# Altium PCB board_ordered.PcbDoc (part 1 of 2)
Units mm, origin at the board's own origin, x right, y up, seen from the top; angles counter-clockwise.
Board outline 122.6 x 89.6 mm, 4 copper layers (Top Layer, Mid Layer 1, Mid Layer 2, Bottom Layer), stack 1.57 mm thick; 184 components, 111 nets, 541 pads, 470 vias.
Unrouted connection lines stored in the file: 2.
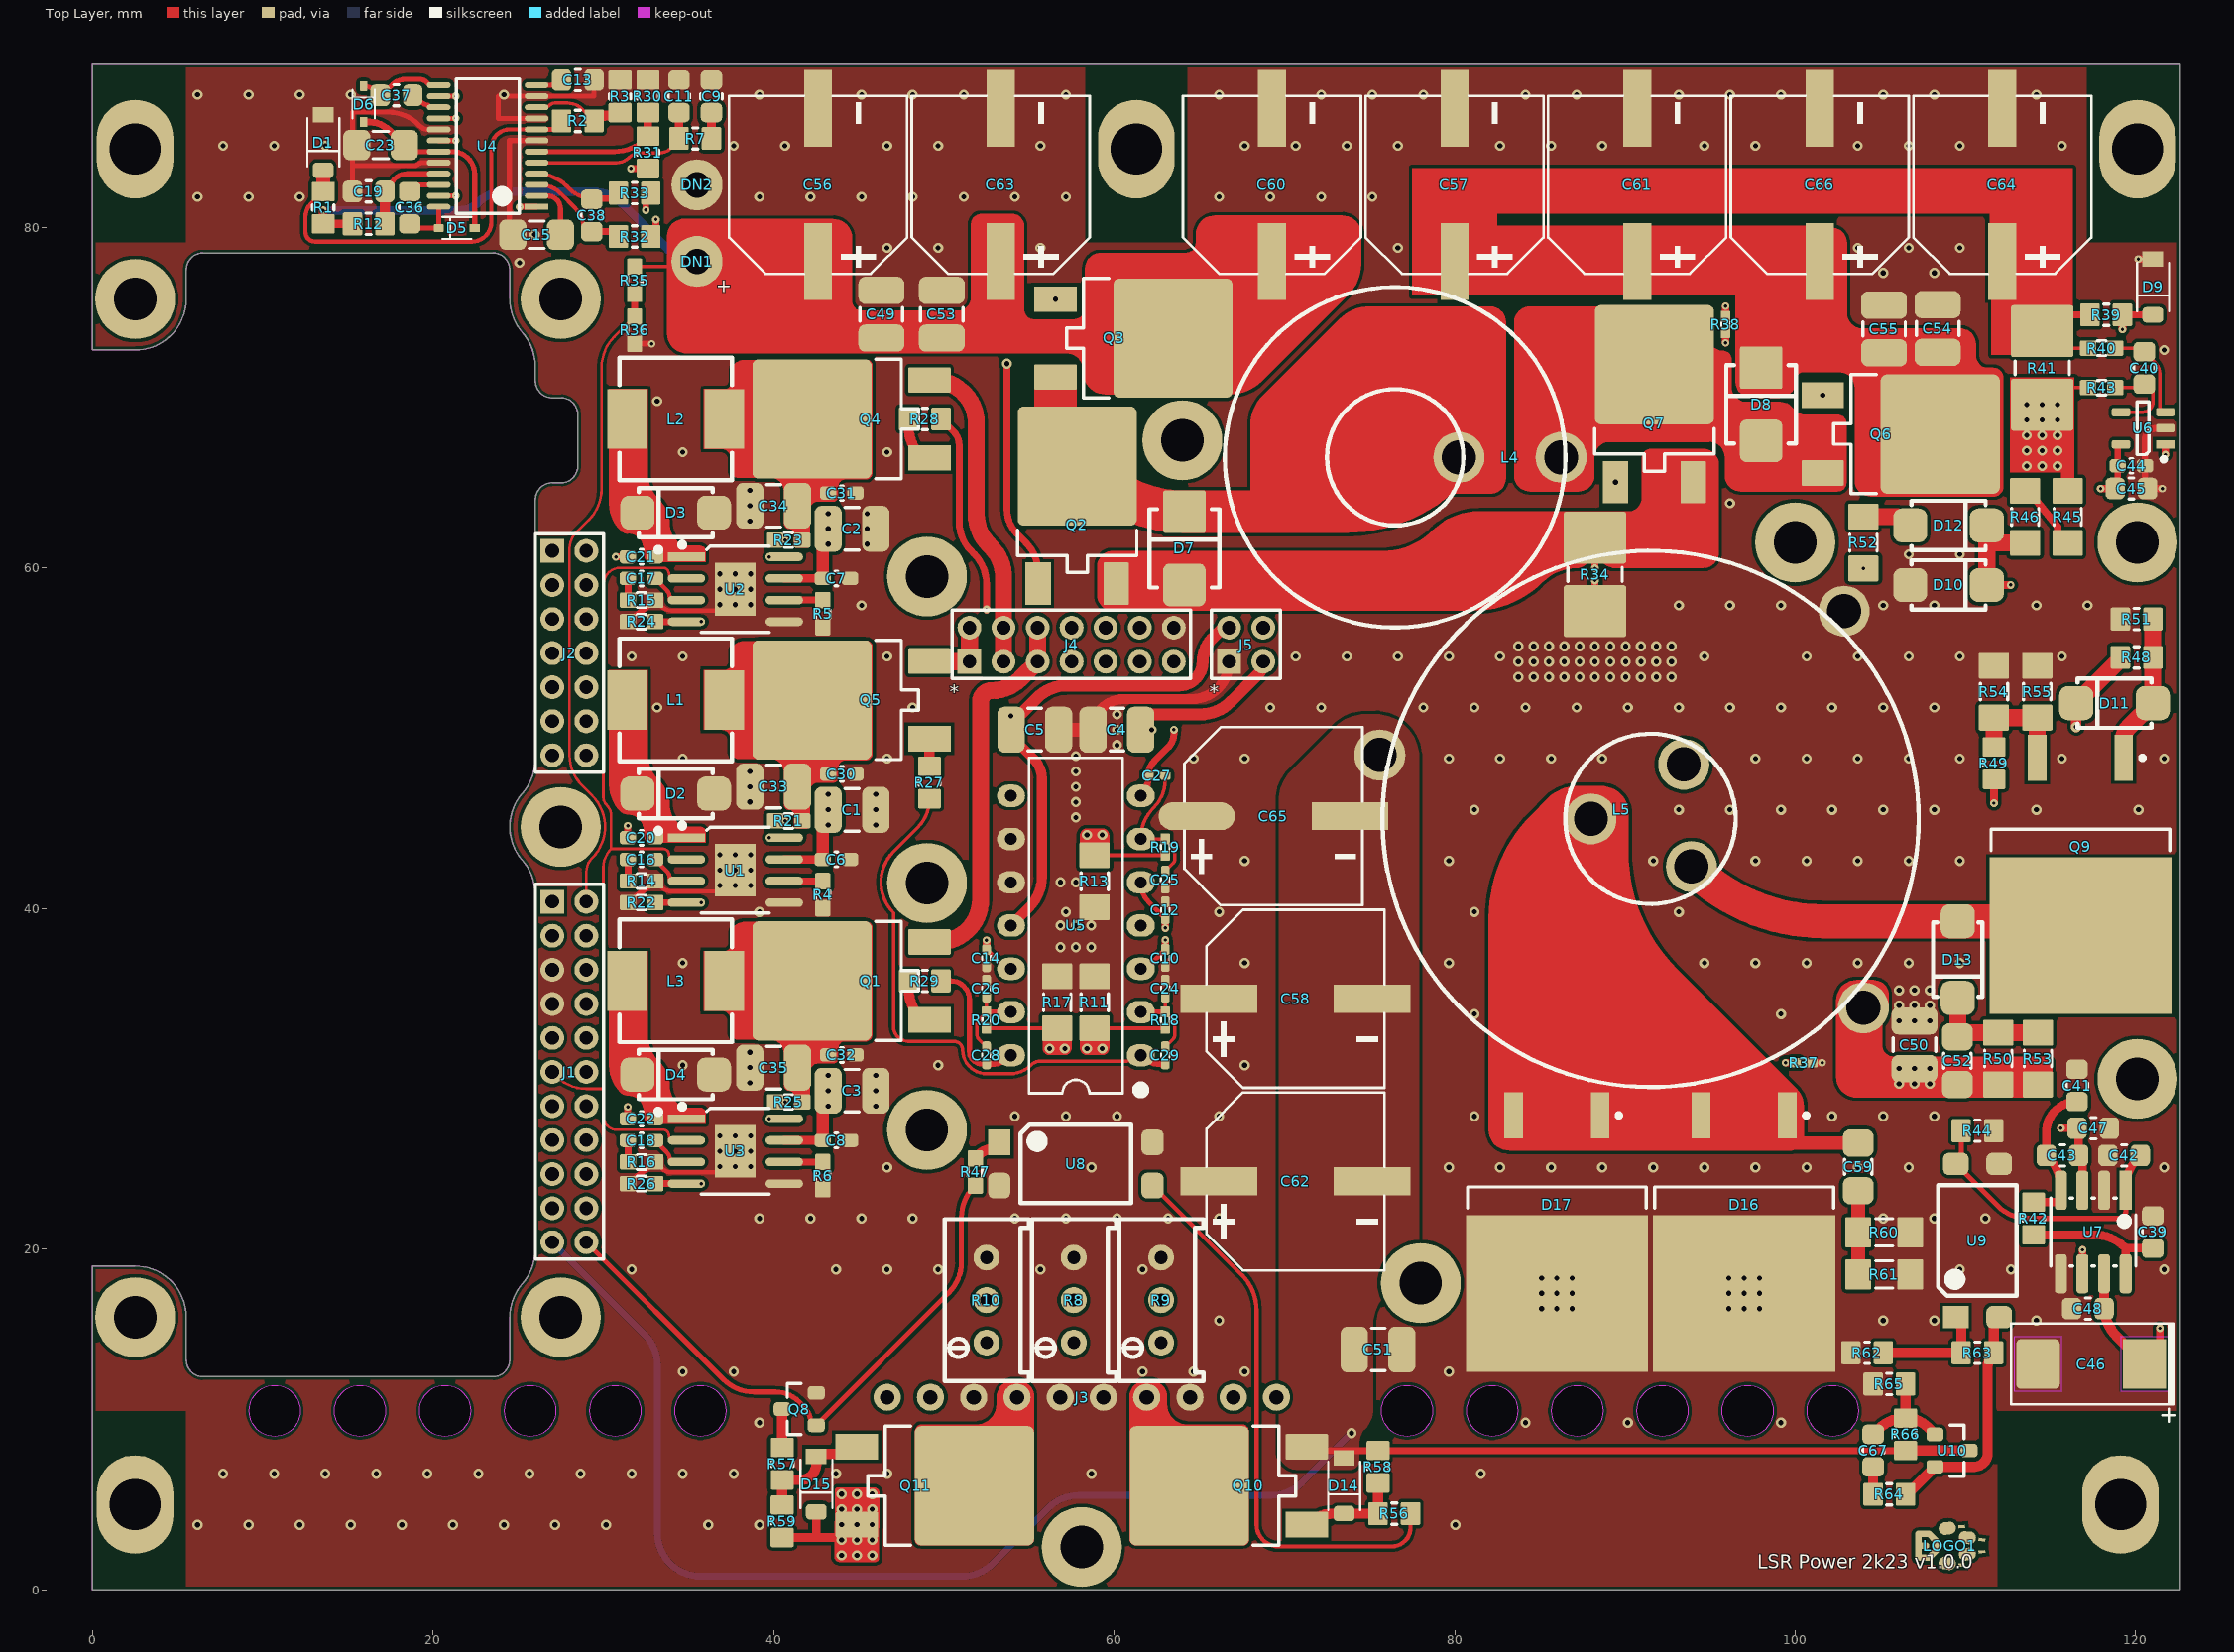
[diagram p0: Top Layer view]
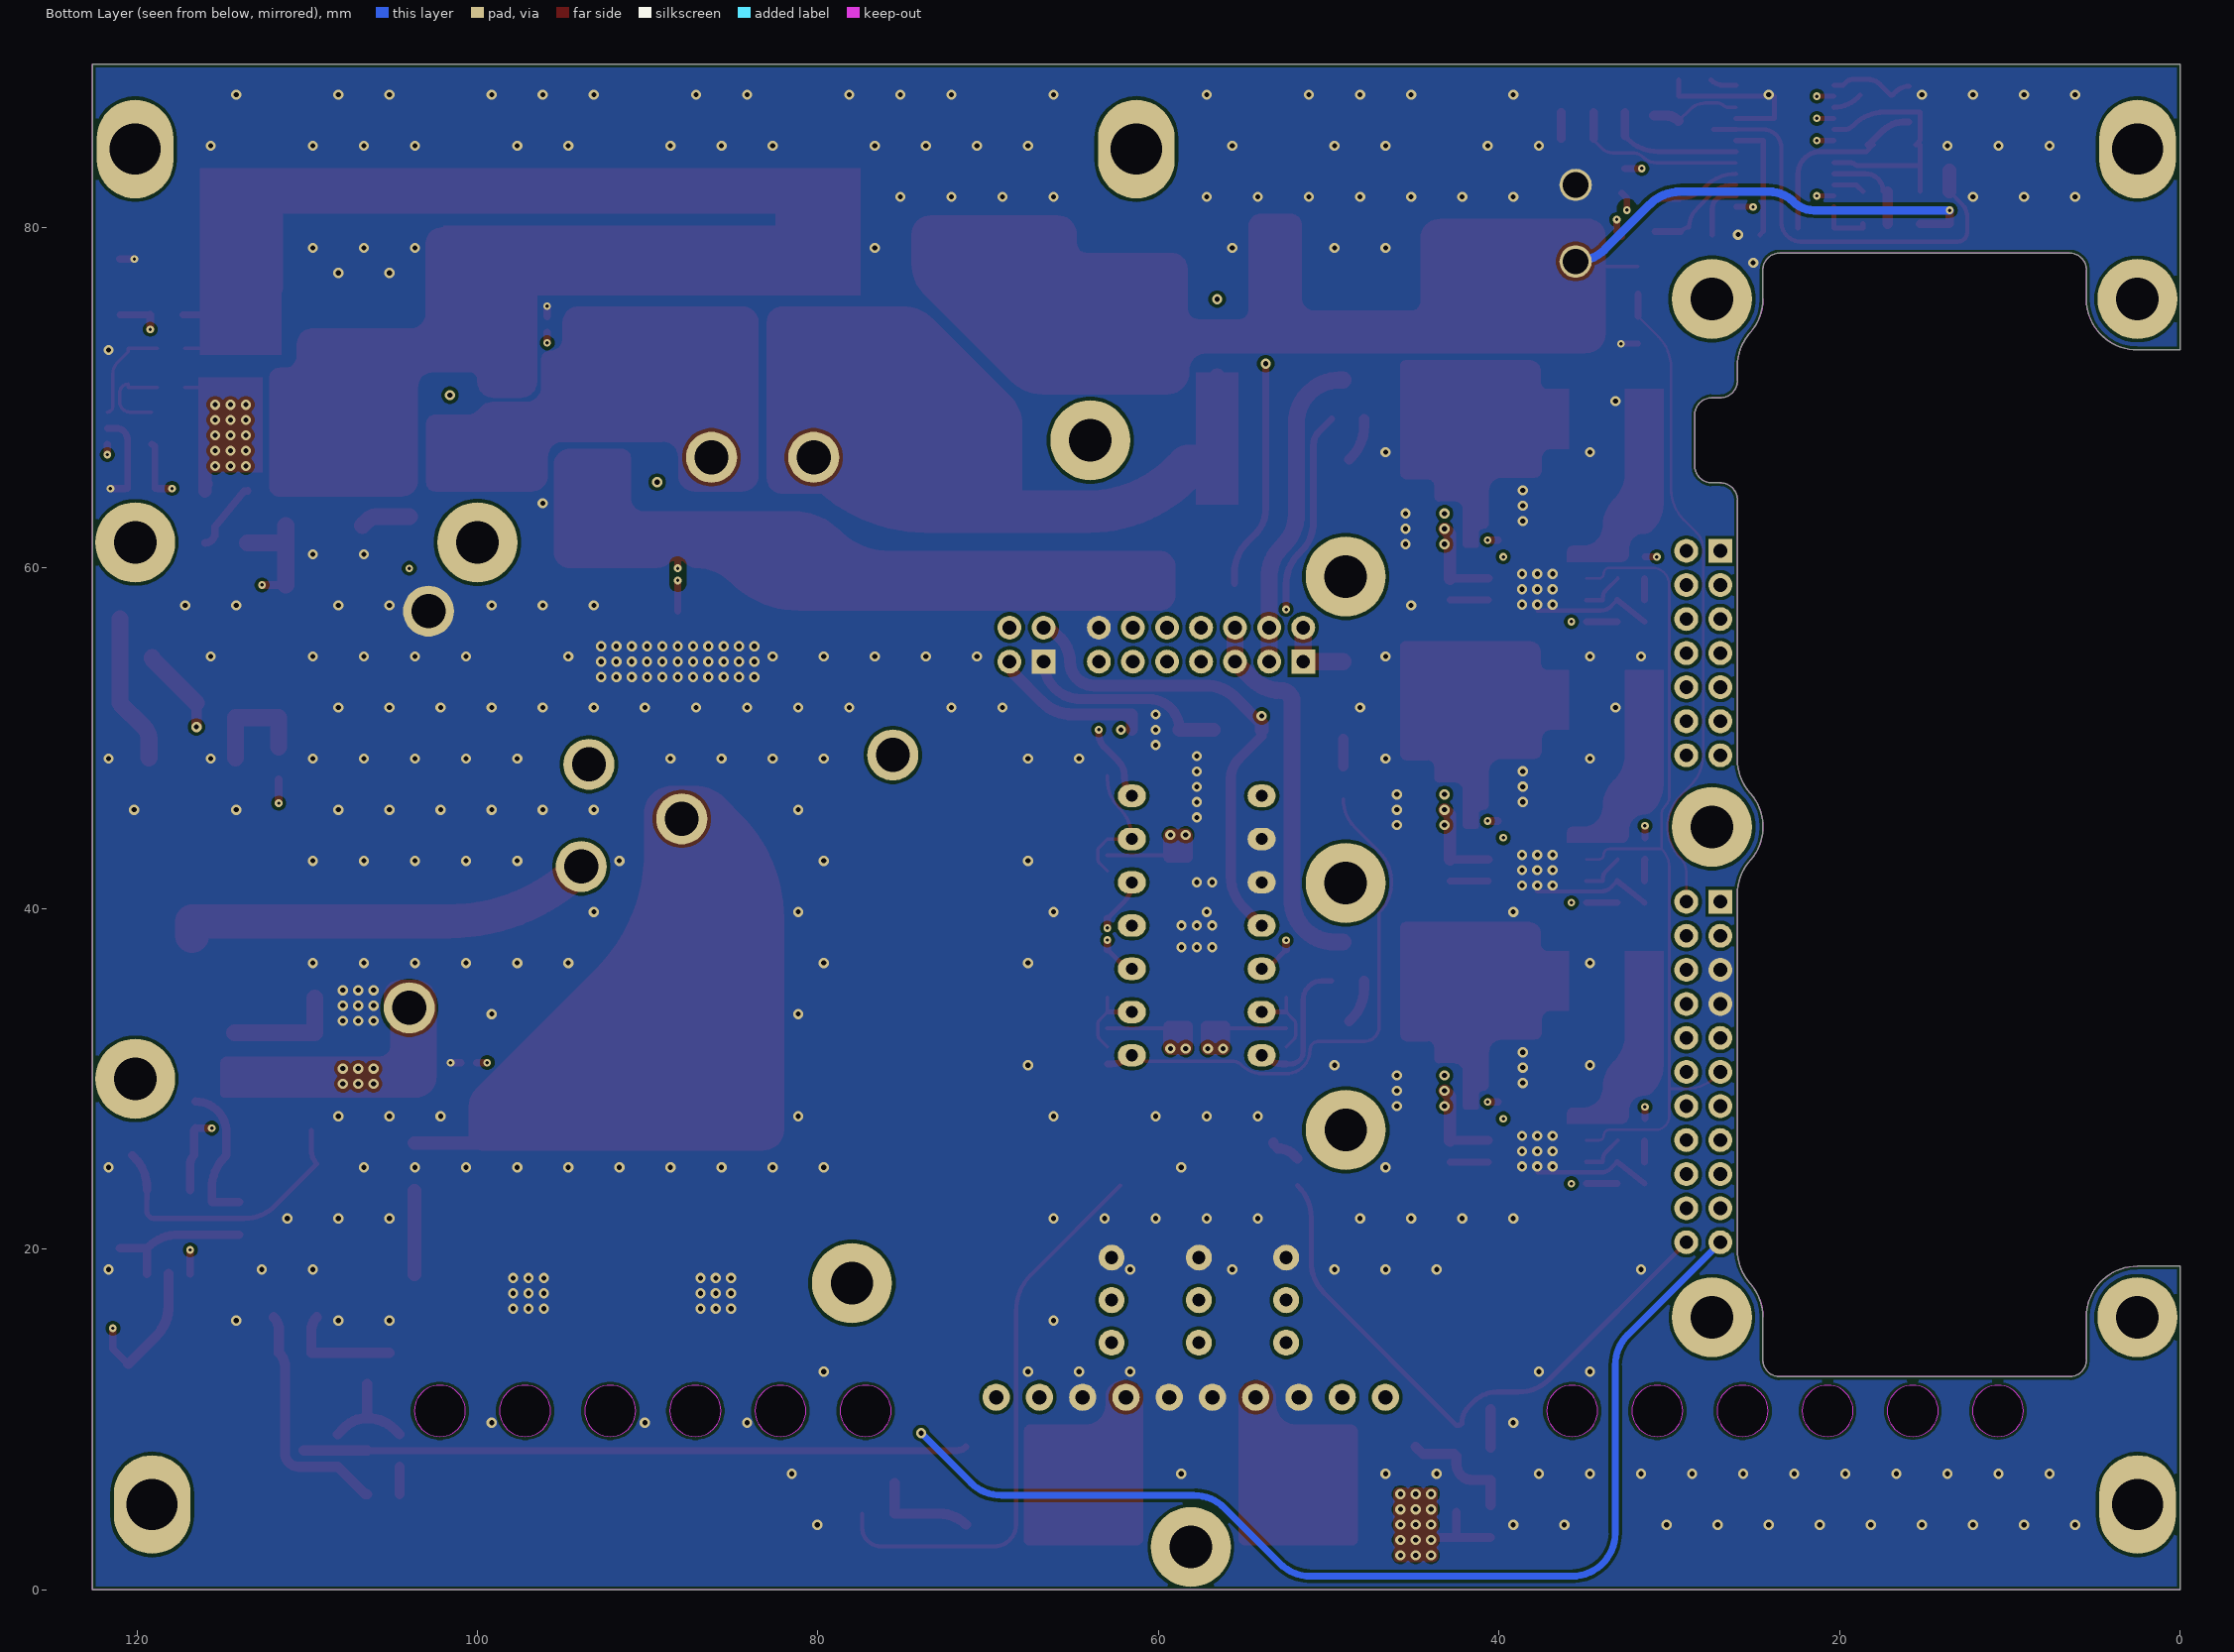
[diagram p1: Bottom Layer view, seen from below]
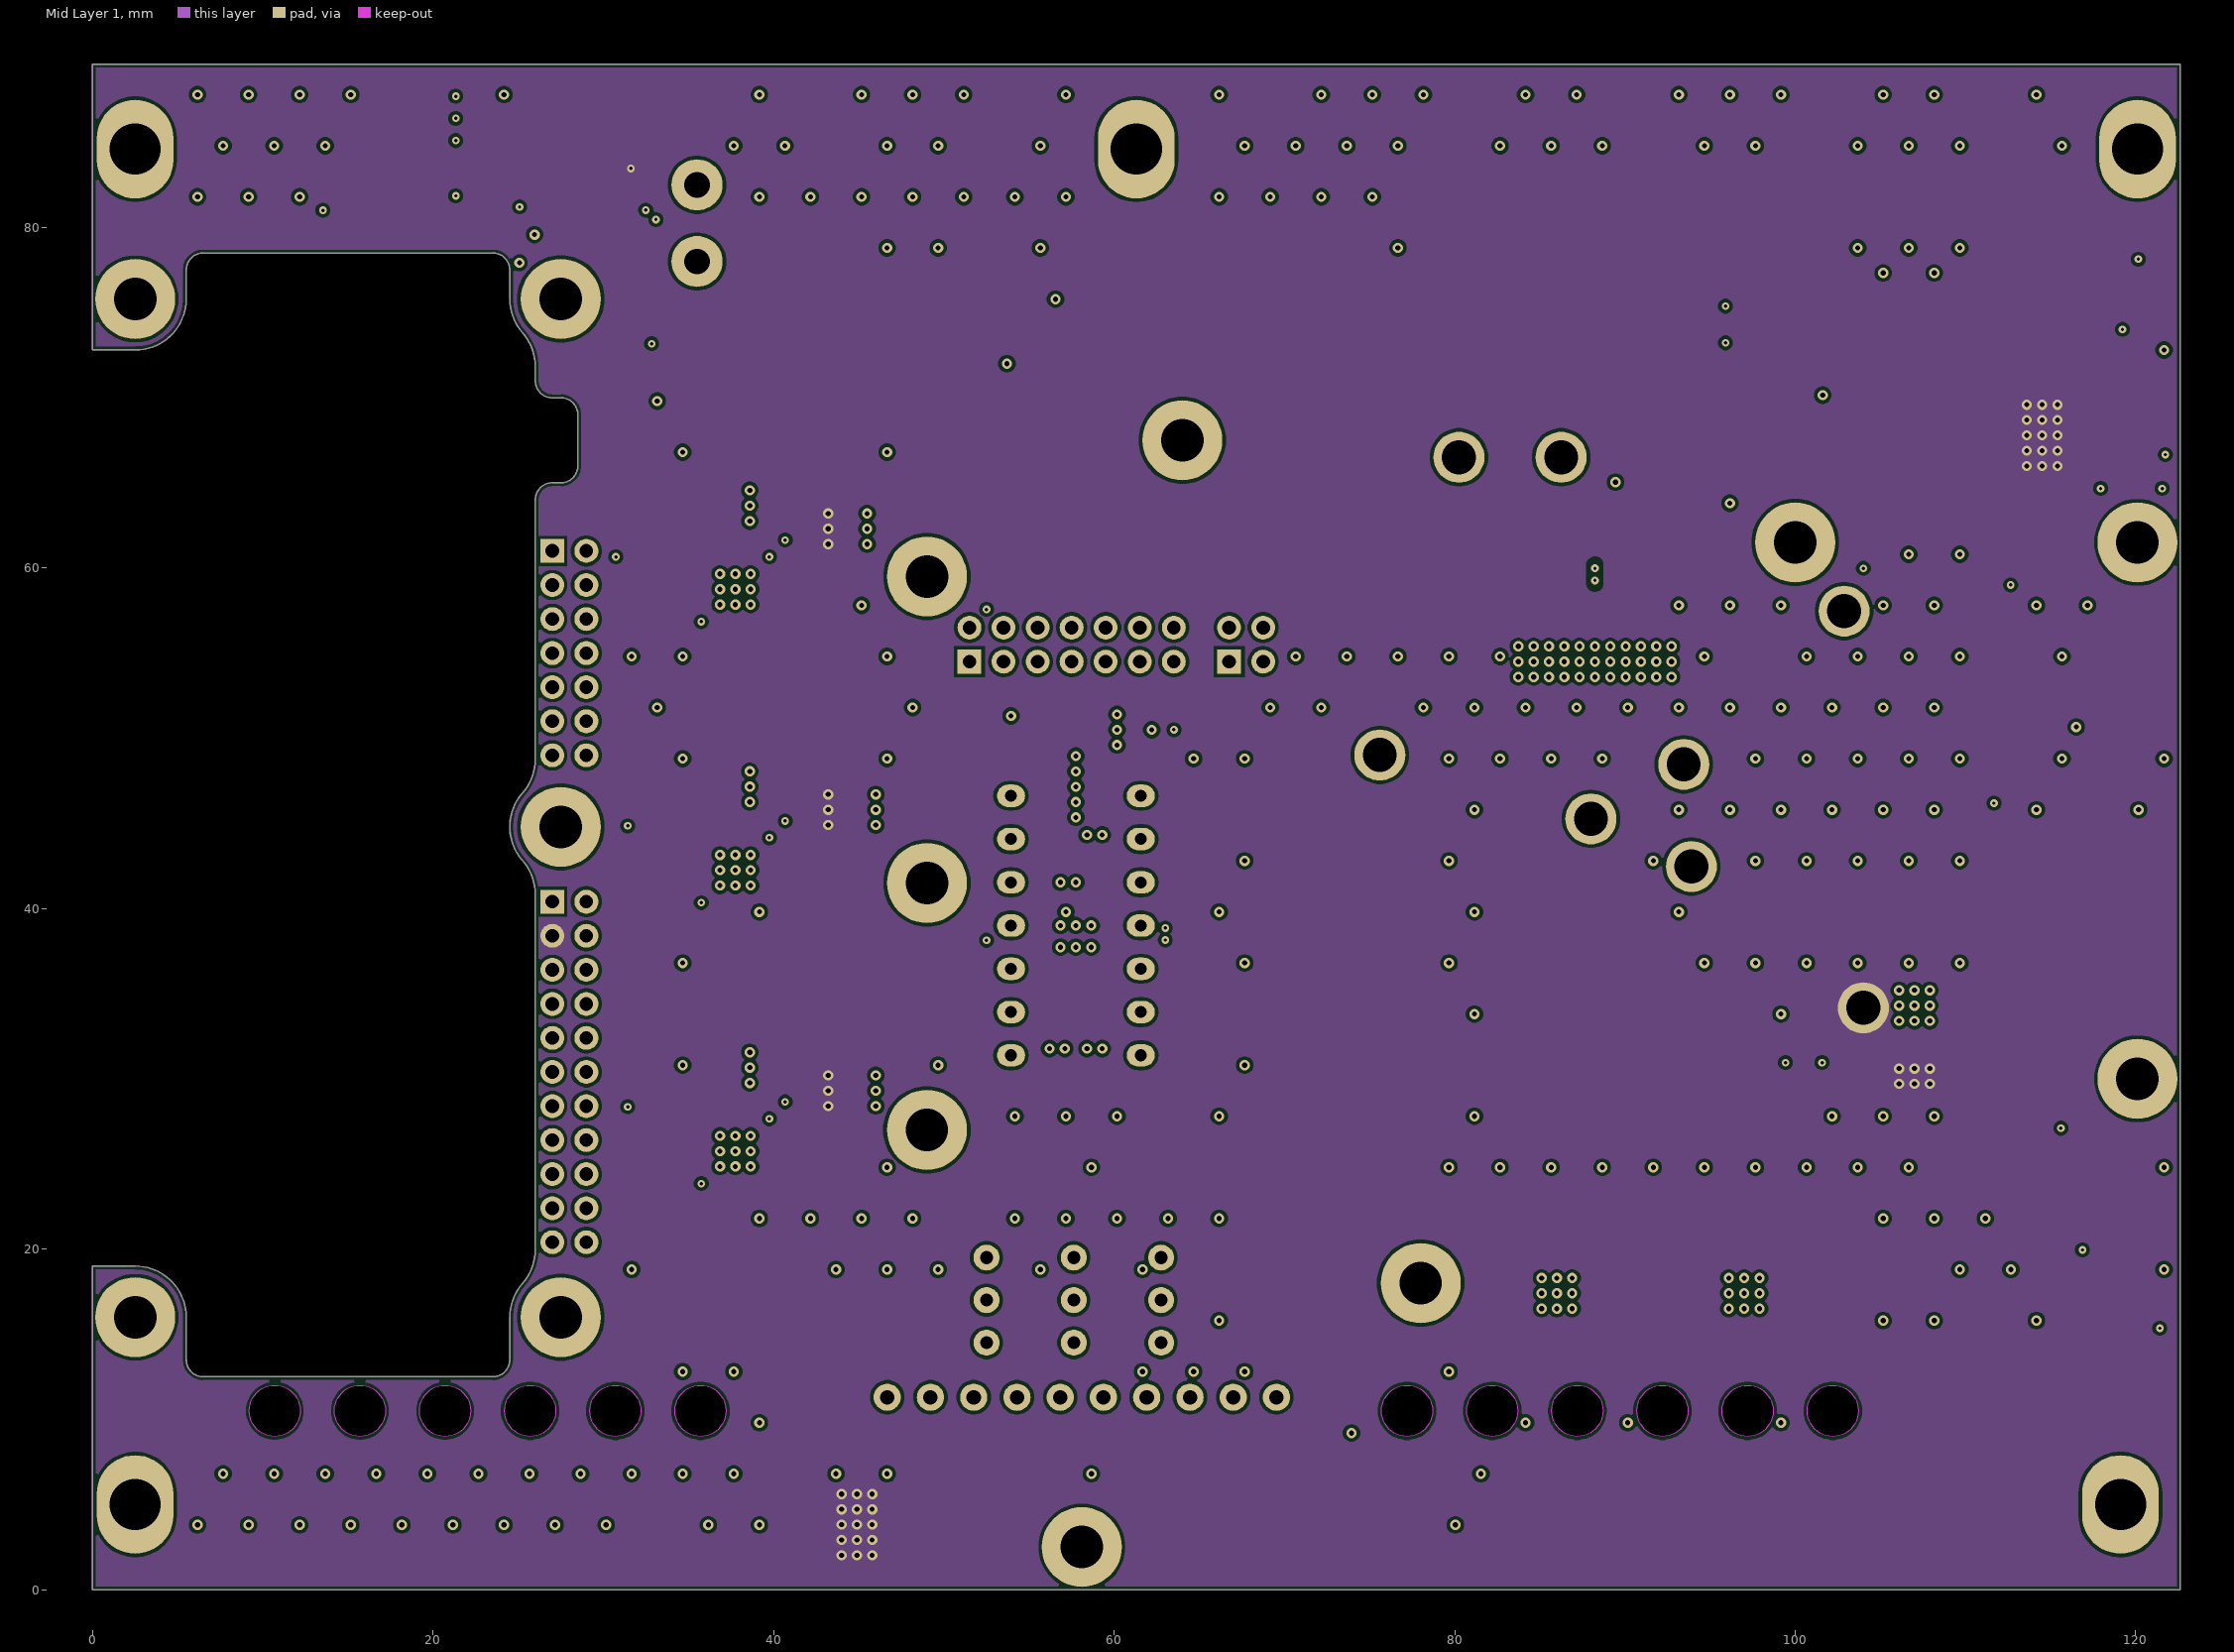
[diagram p2: Mid Layer 1]
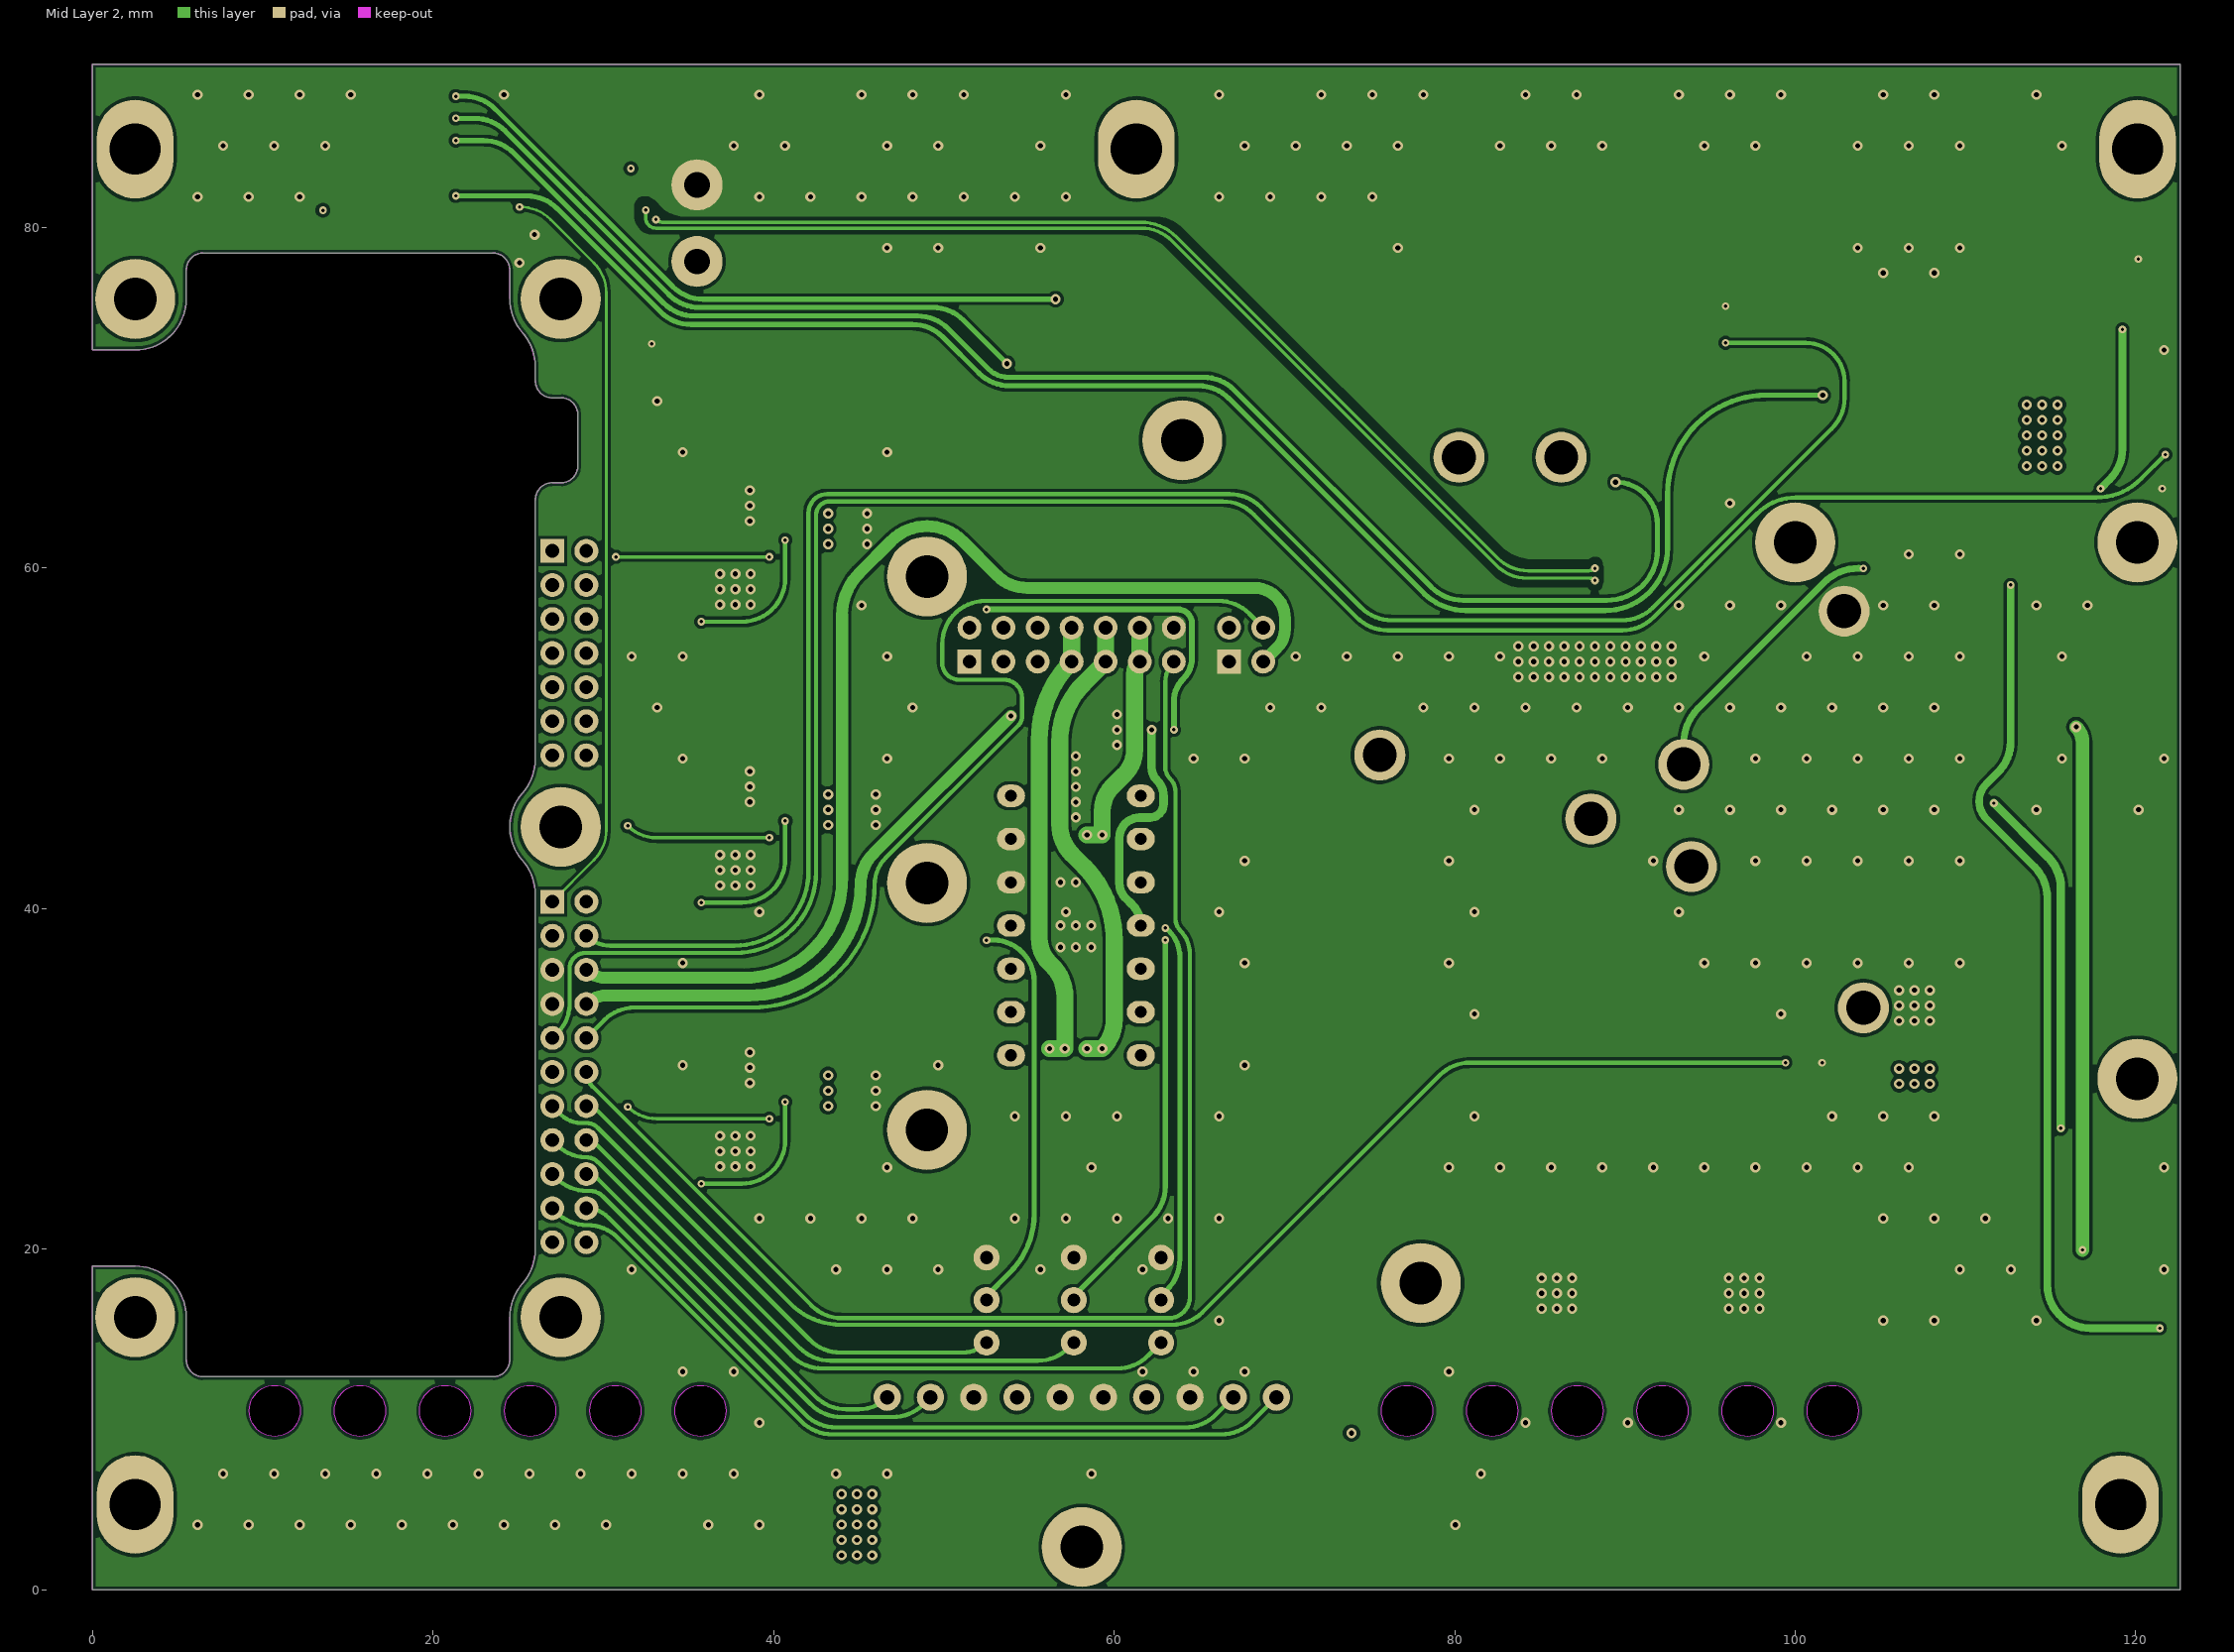
[diagram p3: Mid Layer 2]
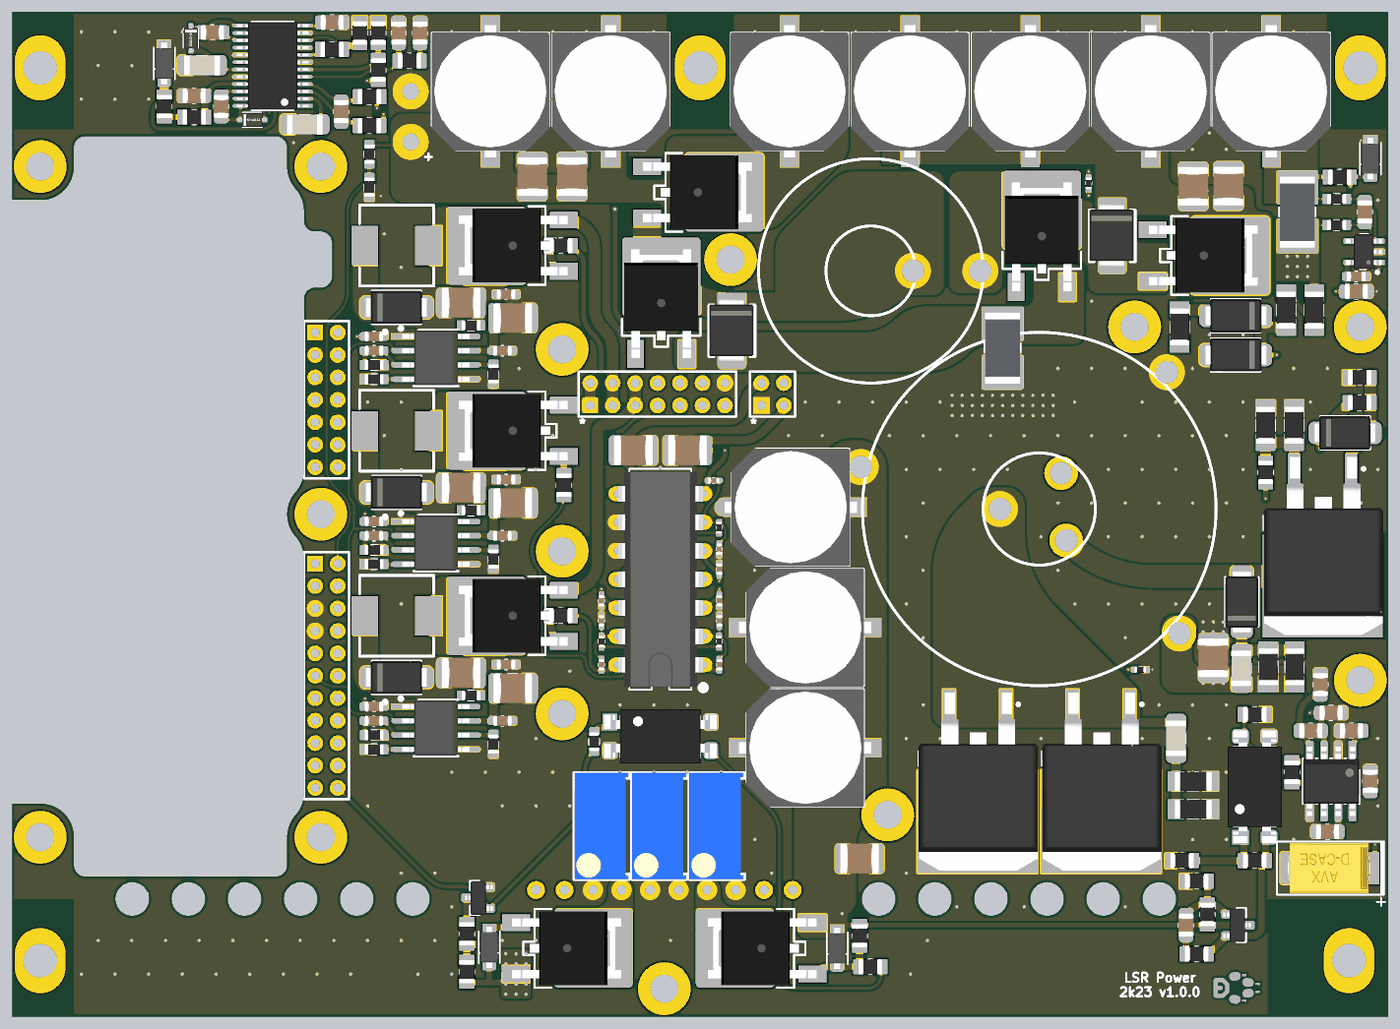
[diagram p5: 3D render of the assembled board from above, using the file's embedded part models]

## Layer stack, top to bottom
Top Solder: solder mask 0.0127, Solder Resist, Dk 3.8
Top Layer: signal copper 0.035
Dielectric 1: prepreg 0.1, 2313, Dk 4.05
Mid Layer 1: signal copper 0.0175
Core: core 1.265, FR-4, Dk 4.5
Mid Layer 2: signal copper 0.0175
Dielectric 2: prepreg 0.1, 2313, Dk 4.05
Bottom Layer: signal copper 0.035
Bottom Solder: solder mask 0.0127, Solder Resist, Dk 3.8

## Board outline
0,0 0,19 2.5,19 cw(c2.5,16) 5.5,16 5.5,13.5 ccw(c6.5,13.5) 6.5,12.5 23.5,12.5 ccw(c23.5,13.5) 24.5,13.5 24.5,16 cw(c27.5,16) 25.226,17.957 ccw(c23,19.968) 26,19.968 26,40.832 ccw(c23,40.832) 25.226,42.843 cw(c27.5,44.8) 25.226,46.757 ccw(c23,48.768) 26,48.768 26,64 cw(c27,64) 27,65 27.5,65 ccw(c27.5,66) 28.5,66 28.5,69 ccw(c27.5,69) 27.5,70 27,70 cw(c27,71) 26,71 26,71.832 ccw(c23,71.832) 25.226,73.843 cw(c27.5,75.8) 24.5,75.8 24.5,77.5 ccw(c23.5,77.5) 23.5,78.5 6.5,78.5 ccw(c6.5,77.5) 5.5,77.5 5.5,76.3 5.5,75.8 cw(c2.5,75.8) 2.5,72.8 0,72.8 0,89.6 122.6,89.6 122.6,0
cut-out: 77.2,12 cw(c77.2,10.5) 78.7,10.5 cw(c77.2,10.5) 77.2,9 cw(c77.2,10.5) 75.7,10.5 cw(c77.2,10.5)
cut-out: 82.2,12 cw(c82.2,10.5) 83.7,10.5 cw(c82.2,10.5) 82.2,9 cw(c82.2,10.5) 80.7,10.5 cw(c82.2,10.5)
cut-out: 102.2,12 cw(c102.2,10.5) 103.7,10.5 cw(c102.2,10.5) 102.2,9 cw(c102.2,10.5) 100.7,10.5 cw(c102.2,10.5)
cut-out: 97.2,12 cw(c97.2,10.5) 98.7,10.5 cw(c97.2,10.5) 97.2,9 cw(c97.2,10.5) 95.7,10.5 cw(c97.2,10.5)
cut-out: 92.2,12 cw(c92.2,10.5) 93.7,10.5 cw(c92.2,10.5) 92.2,9 cw(c92.2,10.5) 90.7,10.5 cw(c92.2,10.5)
cut-out: 87.2,12 cw(c87.2,10.5) 88.7,10.5 cw(c87.2,10.5) 87.2,9 cw(c87.2,10.5) 85.7,10.5 cw(c87.2,10.5)
cut-out: 35.7,12 cw(c35.7,10.5) 37.2,10.5 cw(c35.7,10.5) 35.7,9 cw(c35.7,10.5) 34.2,10.5 cw(c35.7,10.5)
cut-out: 30.7,12 cw(c30.7,10.5) 32.2,10.5 cw(c30.7,10.5) 30.7,9 cw(c30.7,10.5) 29.2,10.5 cw(c30.7,10.5)
cut-out: 25.7,12 cw(c25.7,10.5) 27.2,10.5 cw(c25.7,10.5) 25.7,9 cw(c25.7,10.5) 24.2,10.5 cw(c25.7,10.5)
cut-out: 20.7,12 cw(c20.7,10.5) 22.2,10.5 cw(c20.7,10.5) 20.7,9 cw(c20.7,10.5) 19.2,10.5 cw(c20.7,10.5)
cut-out: 15.7,12 cw(c15.7,10.5) 17.2,10.5 cw(c15.7,10.5) 15.7,9 cw(c15.7,10.5) 14.2,10.5 cw(c15.7,10.5)
cut-out: 10.7,12 cw(c10.7,10.5) 12.2,10.5 cw(c10.7,10.5) 10.7,9 cw(c10.7,10.5) 9.2,10.5 cw(c10.7,10.5)
